# Altium PCB SmartHaloV1_ASCII.PcbDoc (part 4 of 4)
Units mil, origin at the board's own origin, x right, y up, seen from the top; angles counter-clockwise.
Board outline 3022.28 x 2564.81 mil, 4 copper layers (Top Layer, Ground Plane, Power Plane, Bottom Layer), stack 59.692 mil thick; 370 components, 182 nets, 935 pads, 581 vias.
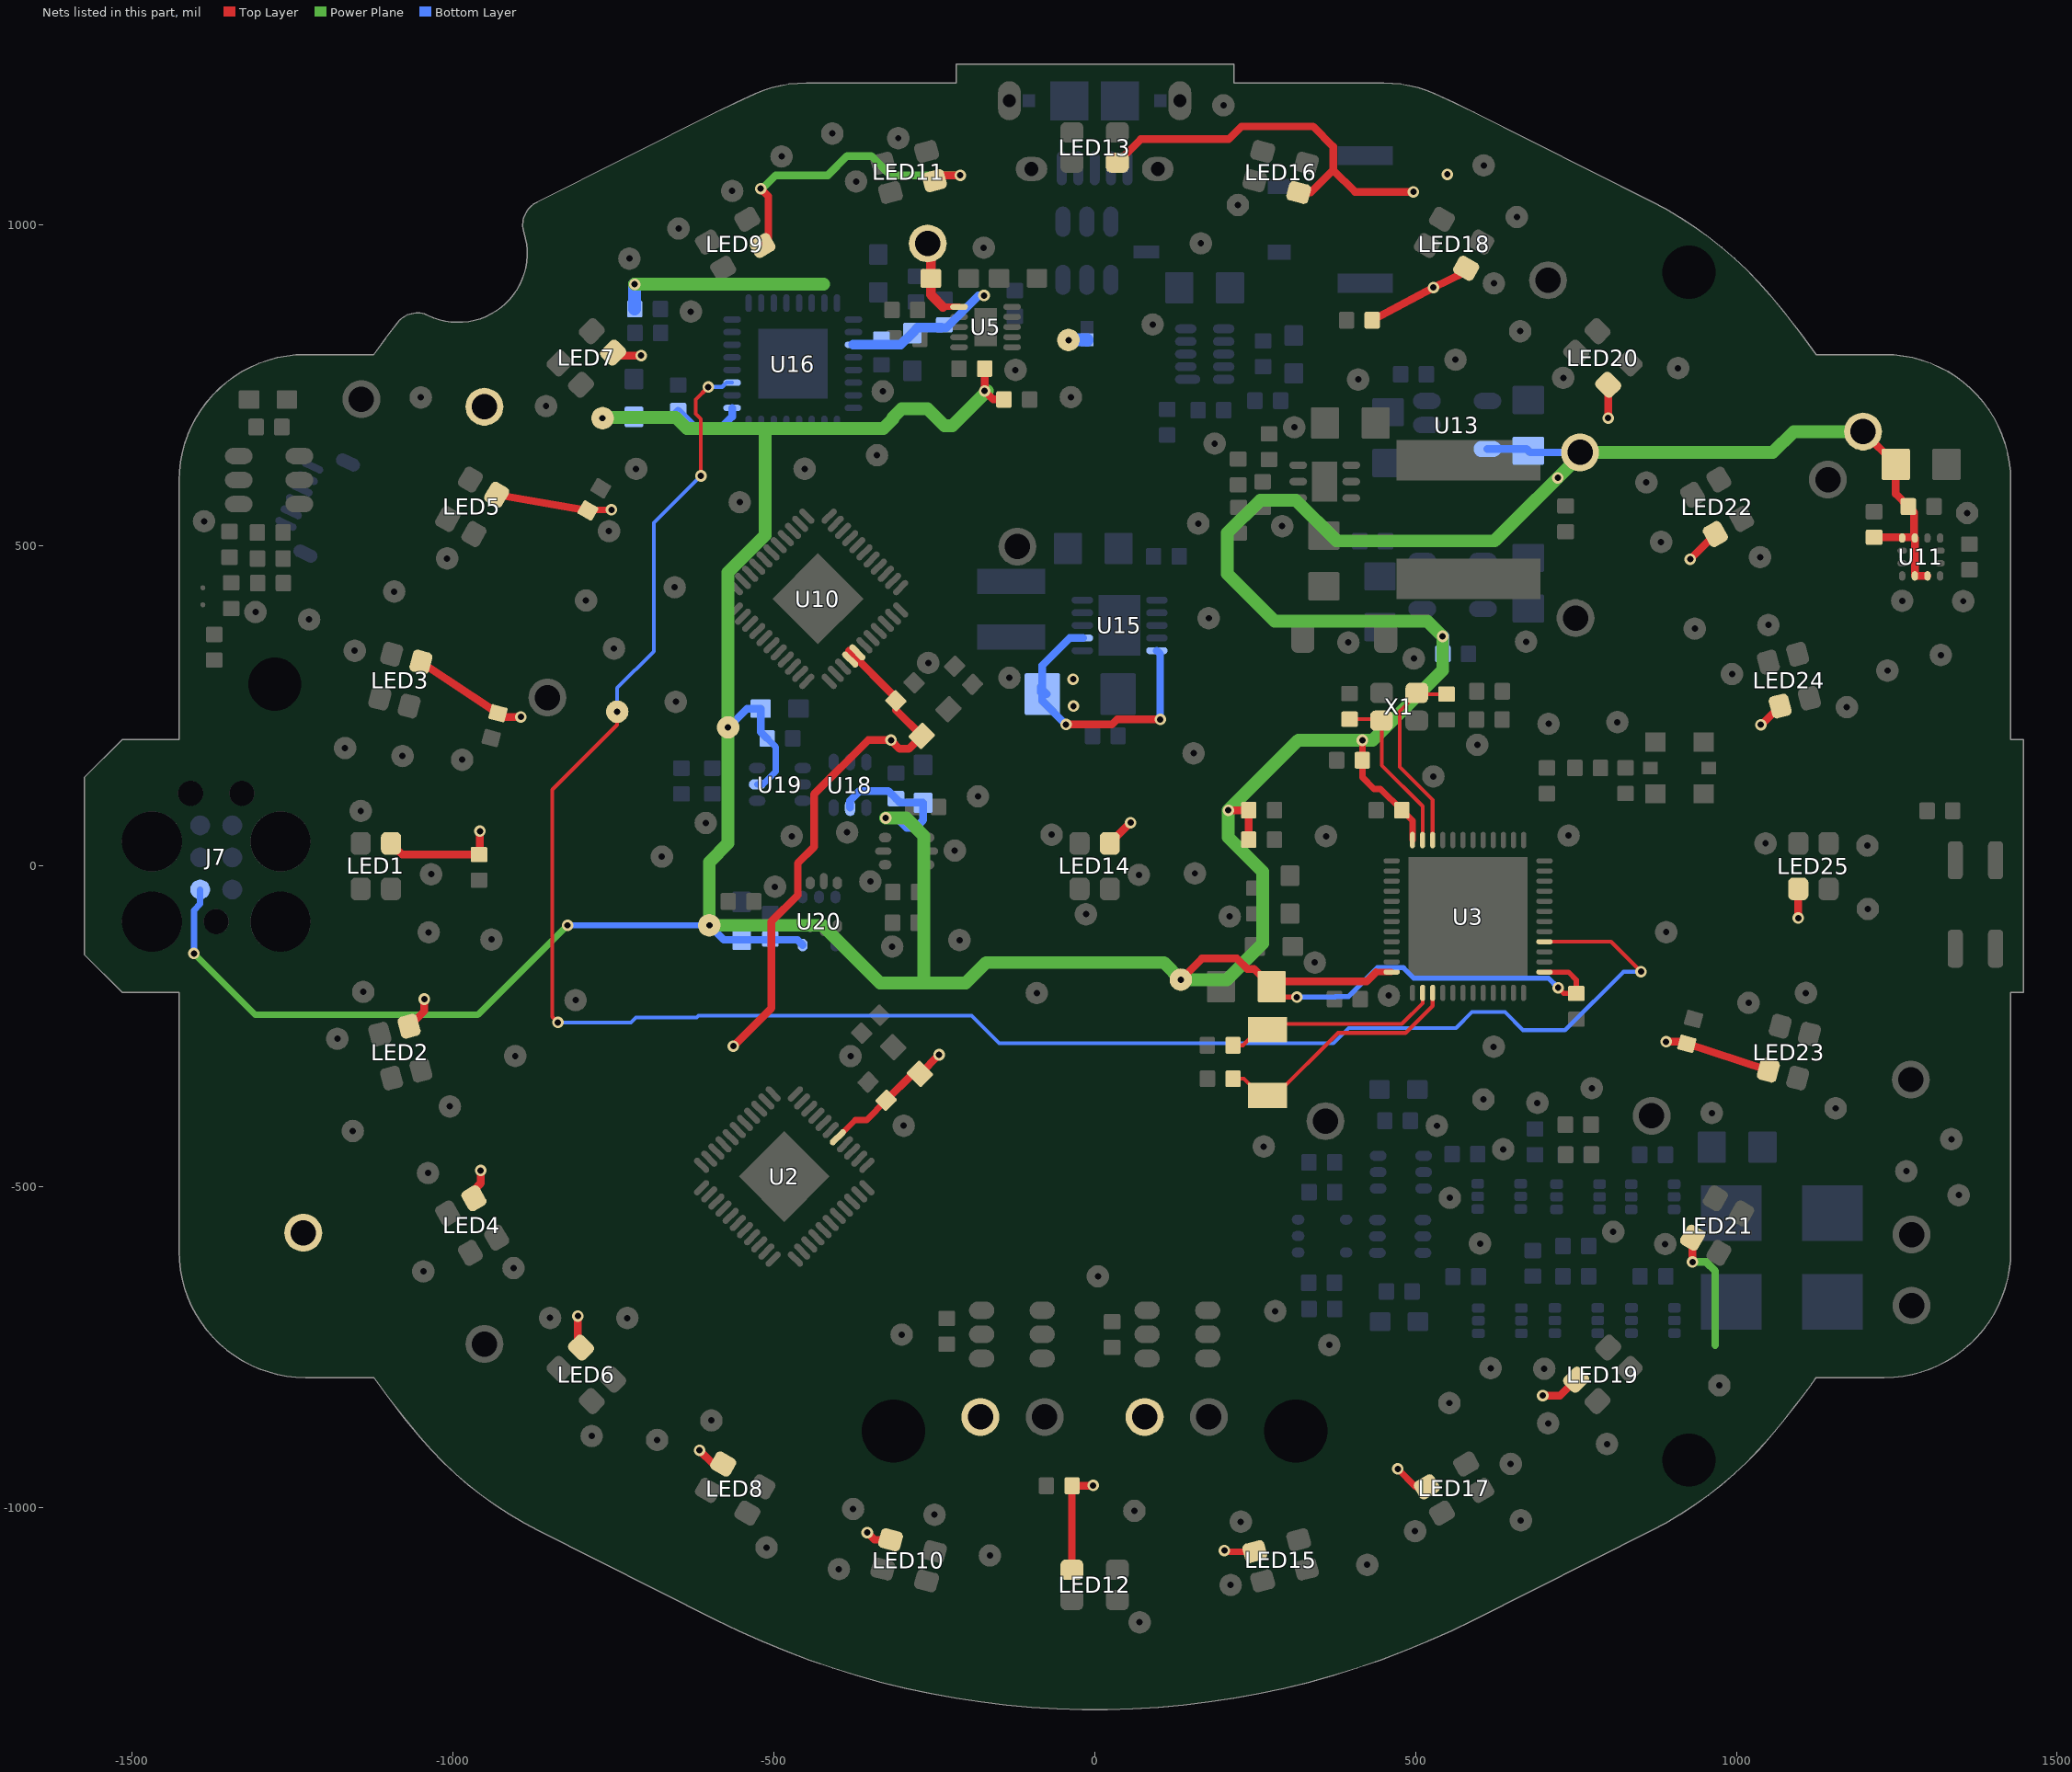
[diagram p5: the nets of this part, all layers, seen from the top]

## Via types
v1: diameter 18, hole 10, Top Layer to Bottom Layer, 557 vias
v2: diameter 27, hole 13, Top Layer to Bottom Layer, 24 vias

## Nets (pads, with @x,y where several pads share a name; then routed paths per layer and width w, separated by ;. In a path a pad name is that pad's centre, name@x,y a point inside that pad or via, vN(x,y) a via of type N, cw(c..) or ccw(c..) an arc to the next point about the centre after c; other vN are vias at no path point) (continued)
VDD_NRF: C21.1 C24.1 C25.1 C43.1 C44.1 C45.1 C49.1 C59.1 C60.1 C65.1 C66.1 C67.1 C68.1 C69.1 C70.1 J7.1 R6.2 R10.2 R13.1 R16.2 R20.2 R30.2 TP10.1 TP11.1 TP12.1 TP13.1 TP14.1 TP15.1 U3.13 U3.36 U3.48 U11.2 U11.3 U11.9 U11.10 U13.5 U16.1 U18.5 U19.5 U20.5 | length 8595.3
  Top Layer w8: C24.1@290.3,-202.2 288.5,-204 v1(315,-204) ; U3.13@700.99,-165.01 738.21,-165.01 750.6,-177.4 C25.1@750.6,-198.4 731.1,-198.4 v1(722.3,-189.6)
  Top Layer w10: v1(417.2,196.2) R6.2@417.2,165.1 417.2,138.5 435.2,120.5 445.5,120.5 C21.1@478.8,87.2 495.29,70.71 U3.36@495.29,40.69 ; 438.69,-165.01 U3.48@462.81,-165.01
  Top Layer w12: R10.2@-171.4,775.3 v1(-171.4,740.7) -158.1,727.4 R13.1@-141.4,727.4 ; TP12.1@134.3,-176.9 167.2,-144 221.7,-144 237.9,-160.2 248.3,-160.2 C24.1@275.9,-187.8 283.9,-179.8 423.9,-179.8 438.69,-165.01 ; v1(208.4,87.2) R16.2@240.2,87.2 R20.2@240.2,41.2 ; TP10.1@1197.42,677.3 C44.1@1248.48,626.23 1248.48,580.02 C45.1@1267.98,560.52 1277.07,551.44 1277.07,512.5 C43.1@1214.6,512.5 ; U11.9@1278.14,511.43 U11.2@1278.14,452.37 U11.3@1297.83,452.37
  Power Plane w10: v1(-1403.7,-136.1) -1308,-231.8 -961,-231.8 v1(-821.4,-92.2)
  Power Plane w20: TP15.1@-759.5,699.1 -652.8,699.1 -635.6,681.9 -329.34,681.9 -314,697.24 -314,699 -300.4,712.6 -260.2,712.6 -234.1,686.5 -221.5,686.5 v1@-167.3,740.7 ; TP14.1@-571.2,216 -571.2,35.8 -600.5,6.5 TP13.1@-600.5,-92.2 -423.9,-92.2 -334.1,-182 -200.8,-182 -169,-150.2 107.6,-150.2 TP12.1@134.3,-176.9 205.7,-176.9 262,-120.6 262,-8.4 208.4,45.2 v1(208.4,87.2) 317.4,196.2 v1(417.2,196.2) 433.2,196.2 542.4,305.4 v1(542.4,358.2) 518.5,382.1 280.3,382.1 206.9,455.5 206.9,519.2 258,570.3 313.5,570.3 376.9,506.9 623.4,506.9 756.5,640 TP11.1@756.5,644.9 1056.8,644.9 1089.2,677.3 TP10.1@1197.42,677.3 ; TP14.1@-571.2,216.3 -571.2,457.8 -513.3,515.7 -513.3,681.9 ; v1(-325.4,75.1) -293.6,75.1 -266,47.5 -266,-182.3
  Bottom Layer w8: v1(315,-204) 374.89,-204 375.39,-203.5 395.42,-203.5 440.52,-158.4 481.2,-158.4 497.1,-174.3 707,-174.3 v1(722.3,-189.6)
  Bottom Layer w10: v1(-1403.7,-136.1) -1403.7,-68.8 -1393.9,-59 J7.1@-1393.9,-36.4 ; v1(-821.4,-92.2) TP13.1@-600.5,-92.2 ; U19.5@-525.9,127.4 -517.3,127.4 -497.1,147.6 -497.1,185.8 C67.1@-510.4,199.1
  Bottom Layer w12: TP15.1@-759.5,699.1 -719,699.1 C60.1@-717.9,700.2 -658.8,700.2 C59.1@-649.1,709.9 -625.4,686.2 -579.3,686.2 -564.89,700.61 U16.1@-564.89,714.2 ; TP13.1@-600.5,-92.2 -577.9,-114.8 C70.1@-550.17,-114.8 -463.16,-114.8 U20.5@-455.06,-122.9 ; TP14.1@-571.05,216.15 -541.7,245.5 C68.1@-520.5,245.5 -520.5,209.2 C67.1@-510.4,199.1 ; U18.5@-381.13,91.2 -381.13,102.27 -366.3,117.1 -321.53,117.1 C65.1@-309.53,105.1 -309.04,105.1 -303.11,99.17 C66.1@-267.7,99.17 ; v1(-325.4,75.1) -308.6,75.1 -293.3,59.8 -279.3,59.8 -267.33,71.77 C66.1@-267.33,98.8 ; U13.5@612.14,650.22 673.08,650.22 C49.1@675.8,647.5 678.4,644.9 TP11.1@756.5,644.9
  Bottom Layer w20: R30.2@542.7,330.7 v1@542.7,357.9
  other v1: 721.8,605.3
VLED: C8.1 C9.1 C10.1 C12.1 C15.1 C22.1 C36.1 C37.1 C41.1 C42.1 C53.1 D1.1 D2.1 LED1.1 LED2.1 LED3.1 LED4.1 LED5.1 LED6.1 LED7.1 LED8.1 LED9.1 LED10.1 LED11.1 LED12.1 LED13.1 LED14.1 LED15.1 LED16.1 LED17.1 LED18.1 LED19.1 LED20.1 LED21.1 LED22.1 LED23.1 LED24.1 LED25.1 TP7.1 TP8.1 U2.38 U10.37 U10.38 U15.2 U15.10 | length 4538.4
  Top Layer w8: C37.1@-309.74,243.44 C37.1@-309.74,257.57 C37.1@-309.74,262.54
  Top Layer w9: U2.38@-400.01,-422.63 -372.77,-395.4
  Top Layer w10: C10.1@-789.6,554.28 -788.48,555.4 v1(-753.1,555.4) ; -372.77,-395.4 -355.38,-395.4 C12.1@-324.81,-364.83 ; v1@203.98,-1068.28 LED15.1@249.54,-1068.28 ; v1(472.4,-939.5) 500.2,-967.3 LED17.1@517.54,-967.3
  Top Layer w12: LED1.1@-1096.46,35.43 -1079.1,18.07 C8.1@-959.29,18.07 -957.9,19.46 v1(-957.9,54.4) ; LED2.1@-1068.28,-249.58 -1044.6,-225.9 v1(-1044.6,-207.2) ; LED3.1@-1049.94,317.99 C9.1@-929.93,238.19 -924.34,232.6 v1(-894.1,232.6) ; LED4.1@-967.3,-517.54 -967.3,-504.8 -956.7,-494.2 v1(-956.7,-474.4) ; LED5.1@-931.87,578.91 C10.1@-789.6,554.28 ; v1(-805.3,-701) -805.3,-749.8 -804.85,-750.25 LED6.1@-800.4,-750.25 ; LED7.1@-750.29,800.36 -745.83,795.9 v1(-706.6,795.9) ; v1(-615.8,-910.5) -594.43,-931.87 LED8.1@-578.91,-931.87 ; v1(-563,-280.6) -503.8,-221.4 -503.8,-86.3 -462.66,-45.16 -462.66,4.64 -437.1,30.2 -437.1,112.2 -352.95,196.35 v1(-317.43,196.35) -304,182.91 -289.55,182.91 C36.1@-269.38,203.08 C37.1@-309.74,243.44 ; v1(-520.4,1056) -508.47,1044.07 -508.47,973.04 LED9.1@-517.94,963.57 ; -383,335.8 C37.1@-309.74,262.54 ; v1(-354.4,-1038.7) -343.16,-1049.94 LED10.1@-318.03,-1049.94 ; C12.1@-328.21,-361.43 C12.1@-327.51,-360.73 ; C12.1@-324.81,-364.83 -283.79,-323.8 C15.1@-272.22,-323.8 v1(-242.3,-293.88) ; LED11.1@-249.58,1068.24 -241.03,1076.8 v1(-209.4,1076.8) ; v1(-44.7,220.7) 26.9,220.7 34.87,228.67 v1(102.15,228.67) ; LED12.1@-35.43,-1096.46 C22.1@-35.43,-973.86 ; C22.1@-35.1,-965.7 v1@-2.7,-965.7 ; LED14.1@23.62,35.43 v1(55.89,67.7) ; LED13.1@35.43,1096.46 71.88,1132.9 208.8,1132.9 228.7,1152.8 340.5,1152.8 371.7,1121.6 371.7,1085.1 ; LED16.1@317.99,1049.9 336.5,1049.9 371.7,1085.1 ; C42.1@432.5,850.9 v1(528,902) 576.68,925.45 LED18.1@578.91,931.83 ; v1(496.8,1051) 405.8,1051 371.7,1085.1 ; v1(698.3,-825.2) 725.41,-825.2 LED19.1@750.25,-800.36 ; v1(800.36,698.36) LED20.1@800.36,750.25 ; v1(890.4,-273.5) 917.57,-273.5 919.15,-275.08 LED23.1@1049.9,-318.03 ; v1(928,478.28) LED22.1@967.26,517.54 ; LED21.1@929.44,-581.3 931.6,-583.46 v1(931.6,-616.9) ; v1(1038.1,220.4) 1039.1,220.4 LED24.1@1068.24,249.54 ; v1(1096.46,-80.74) LED25.1@1096.46,-35.43
  Power Plane w12: v1@-519,1054.6 -496.98,1076.62 -475.58,1076.62 -475.4,1076.8 -415.6,1076.8 -385.6,1106.8 -348.2,1106.8 -318.2,1076.8 v1(-209.4,1076.8) ; v1(931.6,-616.9) 953,-616.9 967,-630.9 967,-746.5
  Bottom Layer w12: C53.1@-84.1,270.8 C53.1@-84.1,279.6 ; C53.1@-81.5,268.1 -81.5,257.5 v1(-44.7,220.7) ; C53.1@-74.5,268.1 -81.5,275.1 -81.5,313.1 -39.08,355.52 U15.2@-18.17,355.52 ; U15.10@96.97,335.83 102.15,330.65 v1(102.15,228.67)
  other v1: 202.3,-1066.6 -2.2,-965.2 -33,249.5 -33.5,291.3 549.6,1078.3
VUSB: C23.1 C56.1 C58.1 NT1.2 R32.2 R36.2 TP19.1 TP20.1 U5.1 U16.19 | length 730.7
  Top Layer w10: -236.32,871.7 U5.1@-211.34,871.7
  Top Layer w15: TP19.1@-260.2,970.4 -255.2,965.4 C23.1@-255.2,915.9 -255.2,890.58 -236.32,871.7
  Power Plane w20: v1(-716.7,906.8) -422.6,906.8
  Bottom Layer w13: R32.2@-239.3,839.4 -230.9,839.4 -180.87,889.43 v1(-172.4,889.43)
  Bottom Layer w15: U16.19@-375.91,812.63 -302.37,812.63 C56.1@-284,831 -275.6,839.4 R32.2@-239.3,839.4
  Bottom Layer w20: R36.2@-716.7,868.3 v1(-716.7,906.8) ; TP20.1@-42.3,820.3 NT1.2@-13.4,820.3 ; NT1.2@-12.1,820.1 NT1.2@-11.9,819.9
W\A\K\E\U\P\: TP143.1 U3.16 U16.3 | length 3091.1
  Top Layer w6: v1(-836.3,-243.7) -845.2,-234.8 -845.2,119.2 -744.1,220.3 TP143.1@-744.1,240.7 ; v1(-613.7,608.3) -613.7,696.84 -621.8,704.94 -621.8,727.1 v1(-602,746.9) ; U3.16@700.99,-117.77 804.77,-117.77 v1(851.5,-164.5)
  Bottom Layer w6: v1(-836.3,-243.7) -722.8,-243.7 -715,-235.9 -620.16,-235.9 -617.46,-233.2 -191.69,-233.2 -148.69,-276.2 371.99,-276.2 395.69,-252.5 558.24,-252.5 558.44,-252.3 563.2,-252.3 588.1,-227.4 639.32,-227.4 667.52,-255.6 733.07,-255.6 824.17,-164.5 v1(851.5,-164.5) ; TP143.1@-744.1,240.7 -744.1,277.7 -687,334.8 -687,535 v1(-613.7,608.3) ; v1(-602,746.9) -580.42,746.9 -573.75,753.57 U16.3@-564.89,753.57
XC_N: C14.1 U3.34 X1.3 | length 306.3
  Top Layer w6: U3.34@526.78,40.69 526.78,103.02 475.34,154.46 475.34,241.61 501.83,268.1 C14.1@548.4,268.1
XC_P: C19.1 U3.35 X1.1 | length 266.7
  Top Layer w6: C19.1@397.1,229.1 X1.1@444.59,229.1 ; X1.1@446.94,226.75 X1.1@444.59,229.1 ; U3.35@511.03,40.69 511.03,93.47 447.4,157.1 447.4,226.29 X1.1@444.59,229.1
XL_N: C31.2 U3.3 X2.2 | length 399.5
  Top Layer w6: C31.2@215.8,-331.3 232.6,-331.3 258.43,-357.13 X2.2@269.23,-357.13 282.17,-357.13 379.5,-259.8 484.5,-259.8 526.78,-217.52 U3.3@526.78,-197.49
XL_P: C32.2 U3.2 X2.1 | length 338.6
  Top Layer w6: C32.2@215.6,-279.2 231.2,-279.2 255.63,-254.77 X2.1@269.24,-254.77 278.21,-245.8 478.7,-245.8 511.03,-213.47 U3.2@511.03,-197.49
pads on no net: ANT1.2 D4.2 J5.4 J7.0 J7.6 U3.20 U3.44 U5.6 U8.4 U12.4 U13.4 U14.4 U16.10 U16.11 U16.21 U16.22 U16.23 U16.25 U16.26 U16.27 U16.28 U16.29 U16.31 U18.3 U18.4

## Polygon pours and split planes (outlines as drawn)
NetD1_2 on Top Layer "NetD1_2 Top" (solid, remove dead copper, pour order 7): -195.7,-715.6 -195.7,-743.5 -195.6,-743.6 -61.5,-743.6 -61.5,-678.2 -61.6,-678.1 -61.8,-677.9 -138.5,-677.9 -138.5,-715.2 -139.2,-715.9 -139.5,-715.6 -195.7,-715.6
NetD2_2 on Top Layer "NetD2_2 Top" (solid, remove dead copper, pour order 9): 61.8,-715.7 61.8,-743.6 61.9,-743.7 196,-743.7 196,-678.3 195.9,-678.2 195.7,-678 119,-678 119,-715.3 118.3,-716 118,-715.7 61.8,-715.7
GND on Top Layer "Top Ground" (solid, remove dead copper, pour order 64): -1515.57,-196.65 -1426.63,-196.65 -1426.63,-600.19 ccw(c-1229.78,-600.19) -1229.78,-797.04 -1123.37,-797.04 ccw(c0.54,0.2) -1051.32,-889.95 ccw(c-600.52,-508.45) -865.74,-1036.1 -590.02,-1174.69 -590.05,-1174.69 ccw(c0.5,0.2) 591.05,-1174.69 591.09,-1174.69 866.81,-1036.1 866.77,-1036.1 ccw(c601.56,-508.45) 1052.35,-889.95 1052.39,-889.95 ccw(c0.54,0.2) 1110.21,-816.73 ccw(c0.53,0.2) 1124.44,-797.04 1230.52,-797.04 1230.52,-797.08 ccw(c1230.52,-599.9) 1427.7,-599.9 1427.7,-196.65 1447.7,-196.65 1447.7,197.05 1427.7,197.05 1427.7,600.59 1427.66,600.59 ccw(c1230.81,600.59) 1230.81,797.44 1124.44,797.44 ccw(c0.53,0.2) 1052.39,890.34 1052.35,890.34 ccw(c601.56,508.85) 866.77,1036.5 866.81,1036.5 591.09,1175.09 ccw(c0.54,0.2) 529.59,1204.04 ccw(c450.39,1023.82) 450.39,1220.67 217.07,1220.67 217.07,1250.2 -216,1250.2 -216,1220.67 -449.32,1220.67 -449.36,1220.67 ccw(c-449.36,1023.82) -528.56,1204.04 -528.52,1204.04 ccw(c0.54,0.2) -590.02,1175.09 -869.49,1034.61 ccw(c-851.81,999.44) -889.33,987.49 -889.36,987.49 cw(c-991.63,954.92) -1038.33,858.3 ccw(c-1055.46,822.85) -1086.52,847.04 -1086.48,847.04 ccw(c0.54,0.2) -1123.37,797.44 -1229.78,797.44 ccw(c-1229.78,600.59) -1426.63,600.59 -1426.63,197.05 -1515.53,197.05 -1574.58,138 -1574.58,-137.6
VBAT on Top Layer "VBAT_L01_P044" (solid, remove dead copper, pour order 44): 395.6,599.2 699.5,599.2 699.5,739.4 395.6,739.4 395.6,599.2
VBZ on Top Layer "VBZ TOP" (solid, remove dead copper, pour order 52): 434.5,489 434.5,409.2 434.5,318.8 300.3,318.8 279,318.8 279,347.6 279,489 356.4,489
USBGND on Top Layer "USBGND Top" (solid, pour order 38): -216,1250.2 217.1,1250.2 217.07,1085.8 -216,1085.8
USBGND on Bottom Layer "USBGND Bot" (solid, pour order 36): -216,1250.2 217.1,1250.2 217.1,1085.7 176.11,1085.7 -167.3,1085.7 -216,1085.7
NetD2_2 on Bottom Layer "NetD2_2 Bot" (solid, remove dead copper, pour order 17): 61.8,-715.7 61.8,-743.6 61.9,-743.7 196,-743.7 196,-678.3 195.9,-678.2 195.7,-678 119,-678 119,-715.3 118.3,-716 118,-715.7 61.8,-715.7
NetD1_2 on Bottom Layer "NetD1_2 Bot" (solid, remove dead copper, pour order 15): -195.7,-715.6 -195.7,-743.5 -195.6,-743.6 -61.5,-743.6 -61.5,-678.2 -61.6,-678.1 -61.8,-677.9 -138.5,-677.9 -138.5,-715.2 -139.2,-715.9 -139.5,-715.6 -195.7,-715.6
GND on Bottom Layer "Bot Ground" (solid, remove dead copper, pour order 70): -1515.57,-196.65 -1426.63,-196.65 -1426.63,-600.19 ccw(c-1229.78,-600.19) -1229.78,-797.04 -1123.37,-797.04 ccw(c0.54,0.2) -1051.32,-889.95 ccw(c-600.52,-508.45) -865.74,-1036.1 -590.02,-1174.69 -590.05,-1174.69 ccw(c0.5,0.2) 591.05,-1174.69 591.09,-1174.69 866.81,-1036.1 866.77,-1036.1 ccw(c601.56,-508.45) 1052.35,-889.95 1052.39,-889.95 ccw(c0.54,0.2) 1110.21,-816.73 ccw(c0.53,0.2) 1124.44,-797.04 1230.52,-797.04 1230.52,-797.08 ccw(c1230.52,-599.9) 1427.7,-599.9 1427.7,-196.65 1447.7,-196.65 1447.7,197.05 1427.7,197.05 1427.7,600.59 1427.66,600.59 ccw(c1230.81,600.59) 1230.81,797.44 1124.44,797.44 ccw(c0.53,0.2) 1052.39,890.34 1052.35,890.34 ccw(c601.56,508.85) 866.77,1036.5 866.81,1036.5 591.09,1175.09 ccw(c0.54,0.2) 529.59,1204.04 ccw(c450.39,1023.82) 450.39,1220.67 217.07,1220.67 217.07,1250.2 -216,1250.2 -216,1220.67 -449.32,1220.67 -449.36,1220.67 ccw(c-449.36,1023.82) -528.56,1204.04 -528.52,1204.04 ccw(c0.54,0.2) -590.02,1175.09 -869.49,1034.61 ccw(c-851.81,999.44) -889.33,987.49 -889.36,987.49 cw(c-991.63,954.92) -1038.33,858.3 ccw(c-1055.46,822.85) -1086.52,847.04 -1086.48,847.04 ccw(c0.54,0.2) -1123.37,797.44 -1229.78,797.44 ccw(c-1229.78,600.59) -1426.63,600.59 -1426.63,197.05 -1515.53,197.05 -1574.58,138 -1574.58,-137.6
VBAT on Bottom Layer "VBAT VLED BOT PLANE" (solid, remove dead copper, pour order 42): -183.4,424 -183.4,526.2 -2.9,526.2 -2.7,526 -2.7,408 -183.2,408 -183.4,408.2 -183.4,423.8
BZ_OUT_P on Bottom Layer "BZ_OUT_P BOT" (solid, remove dead copper, pour order 46): 710,-507.8 710,-542.5 945.1,-542.5 945.1,-584.3 1197.1,-584.3 1197.1,-497.6 945.2,-497.6 945.2,-507.8
BZ_OUT_N on Bottom Layer "BZ_OUT_N BOT" (solid, remove dead copper, pour order 48): 707.3,-700.8 707.3,-735.3 1197.1,-735.3 1197.1,-635.9 945.1,-635.9 945.1,-700.8
NetC62_1 on Bottom Layer "NetC62_1  Bot" (solid, remove dead copper, pour order 32): 587.2,-507.2 587.2,-541.7 673.8,-541.7 673.8,-507.2 587.3,-507.2 587.2,-507.3
NetC63_1 on Bottom Layer "NetC63_1  Bot" (solid, remove dead copper, pour order 34): 588.2,-701 588.2,-735.5 674.8,-735.5 674.8,-701 588.3,-701 588.2,-701.1
VLED on Bottom Layer "VLED BOT" (solid, remove dead copper, pour order 50): -21.2,317.9 -15.3,317.9 -15.3,187.5 -126.4,187.5 -126.4,317.9 -26,317.9 -24.42,317.9 -22.7,317.9
VDD_NRF on Bottom Layer "VDD_NRF BOT" (solid, remove dead copper, pour order 54): 644.9,700.06 644.9,589.9 780.82,589.9 780.82,603.38 780.82,700.06 652.74,700.06
S2V8 on Bottom Layer "S2V8 BOT" (solid, remove dead copper, pour order 56): 561.9,448.4 781.36,448.4 781.36,349.7 561.9,349.7
USBGND on Ground Plane "USBGND GND Plane" (solid, pour order 40): -216,1250.2 217.1,1250.2 217.07,1086.61 -216,1086.61
GND on Ground Plane "Ground Plane" (solid, remove dead copper, pour order 68): -1515.57,-196.65 -1426.63,-196.65 -1426.63,-600.19 ccw(c-1229.78,-600.19) -1229.78,-797.04 -1123.37,-797.04 ccw(c0.54,0.2) -1051.32,-889.95 ccw(c-600.52,-508.45) -865.74,-1036.1 -590.02,-1174.69 -590.05,-1174.69 ccw(c0.5,0.2) 591.05,-1174.69 591.09,-1174.69 866.81,-1036.1 866.77,-1036.1 ccw(c601.56,-508.45) 1052.35,-889.95 1052.39,-889.95 ccw(c0.54,0.2) 1110.21,-816.73 ccw(c0.53,0.2) 1124.44,-797.04 1230.52,-797.04 1230.52,-797.08 ccw(c1230.52,-599.9) 1427.7,-599.9 1427.7,-196.65 1447.7,-196.65 1447.7,197.05 1427.7,197.05 1427.7,600.59 1427.66,600.59 ccw(c1230.81,600.59) 1230.81,797.44 1124.44,797.44 ccw(c0.53,0.2) 1052.39,890.34 1052.35,890.34 ccw(c601.56,508.85) 866.77,1036.5 866.81,1036.5 591.09,1175.09 ccw(c0.54,0.2) 529.59,1204.04 ccw(c450.39,1023.82) 450.39,1220.67 217.07,1220.67 217.07,1250.2 -216,1250.2 -216,1220.67 -449.32,1220.67 -449.36,1220.67 ccw(c-449.36,1023.82) -528.56,1204.04 -528.52,1204.04 ccw(c0.54,0.2) -590.02,1175.09 -869.49,1034.61 ccw(c-851.81,999.44) -889.33,987.49 -889.36,987.49 cw(c-991.63,954.92) -1038.33,858.3 ccw(c-1055.46,822.85) -1086.52,847.04 -1086.48,847.04 ccw(c0.54,0.2) -1123.37,797.44 -1229.78,797.44 ccw(c-1229.78,600.59) -1426.63,600.59 -1426.63,197.05 -1515.53,197.05 -1574.58,138 -1574.58,-137.6
VLED on Power Plane "VLED Plane" (solid, remove dead copper, pour order 66): -1515.57,-196.65 -1426.63,-196.65 -1426.63,-600.19 ccw(c-1229.78,-600.19) -1229.78,-797.04 -1123.37,-797.04 ccw(c0.54,0.2) -1051.32,-889.95 ccw(c-600.52,-508.45) -865.74,-1036.1 -590.02,-1174.69 -590.05,-1174.69 ccw(c0.5,0.2) 591.05,-1174.69 591.09,-1174.69 866.81,-1036.1 866.77,-1036.1 ccw(c601.56,-508.45) 1052.35,-889.95 1052.39,-889.95 ccw(c0.54,0.2) 1110.21,-816.73 ccw(c0.53,0.2) 1124.44,-797.04 1230.52,-797.04 1230.52,-797.08 ccw(c1230.52,-599.9) 1427.7,-599.9 1427.7,-196.65 1447.7,-196.65 1447.7,197.05 1427.7,197.05 1427.7,600.59 1427.66,600.59 ccw(c1230.81,600.59) 1230.81,797.44 1124.44,797.44 ccw(c0.53,0.2) 1052.39,890.34 1052.35,890.34 ccw(c601.56,508.85) 866.77,1036.5 866.81,1036.5 591.09,1175.09 ccw(c0.54,0.2) 529.59,1204.04 ccw(c450.39,1023.82) 450.39,1220.67 217.07,1220.67 217.07,1250.2 -216,1250.2 -216,1220.67 -449.32,1220.67 -449.36,1220.67 ccw(c-449.36,1023.82) -528.56,1204.04 -528.52,1204.04 ccw(c0.54,0.2) -590.02,1175.09 -869.49,1034.61 ccw(c-851.81,999.44) -889.33,987.49 -889.36,987.49 cw(c-991.63,954.92) -1038.33,858.3 ccw(c-1055.46,822.85) -1086.52,847.04 -1086.48,847.04 ccw(c0.54,0.2) -1123.37,797.44 -1229.78,797.44 ccw(c-1229.78,600.59) -1426.63,600.59 -1426.63,197.05 -1515.53,197.05 -1574.58,138 -1574.58,-137.6
VUSB on Power Plane "VUSB PLANE" (solid, remove dead copper, pour order 60): -470.4,987.4 -470.4,783.1 15.9,783.1 16.5,783.1 16.5,987.4
VBAT on Power Plane "VBAT PLANE" (solid, remove dead copper, pour order 58): -470.4,1219.3 -470.4,1217.9 -470.4,987.4 -129,987.4 -129,929.1 -70.7,929.1 -70.7,987.4 16.4,987.4 16.5,783.1 -184.1,783.1 -183.2,782 -183.2,323.39 464.29,323.39 463.93,412.09 463.5,516.3 460.6,1220.67 217.07,1220.67 217.07,1250.2 -216,1250.2 -216,1220.7 -470.4,1220.7 -470.4,1217.9 -470.4,1220.7
VBZ on Power Plane "VBZ PLANE" (solid, remove dead copper, pour order 62): 724.2,-329.5 724.2,-732.5 1061.2,-732.5 1061.2,-329.5

## Keep-outs
Mechanical 3:
  circle w10: c0.5,0.2 r216.54
  lines w10: -1375.77,-67.85 cw(c0.5,0.2) -1328.46,364.37 -1184.98,364.37 cw(c0.5,0.2) -949.45,797.44 -1123.4,797.44 ; -1373.4,-105.41 ccw(c0.5,0.2) -1051.36,-889.94 ; -590.12,-1174.79 ccw(c0.44,0.1) 590.99,-1174.79 ; 1052.29,-890.04 ccw(c0.44,0.1) 1346.38,-295.18 ; 1052.35,-889.94 ccw(c0.5,0.2) 1346.44,-295.08 1204.99,-295.08 ccw(c0.5,0.2) 1115.19,543.75 1234.79,612.8 ccw(c0.5,0.2) 1052.35,890.34 ; -943.23,342.53 -934.31,338.37 ccw(c0.5,0.2) -859.44,498.93 -868.36,503.09 -943.23,342.53
Mechanical 4:
  lines w10: -402.87,-1251.35 -402.87,-816.73 393.9,-816.73 393.9,-1254.54 ; -145.13,1082.88 146.2,1082.88 146.2,1250.2 -145.13,1250.2 -145.13,1082.88

## Silkscreen, mask and mechanical layers (free items; w line width, h text height)
Top Overlay:
  drawing of 4068 lines, arcs and shapes, not listed
  text "1.0 Rev1" at -763,61.5 h80 r90
  text "2016/11/28 CycleLabs Solutions inc." at -712.3,-608.7 h25 r90
Outline:
  lines w10: -1515.57,-196.65 -1426.67,-196.65 ; -1515.53,-196.65 -1574.58,-137.6 -1574.58,138 -1515.53,197.05 -1426.63,197.05 -1426.63,600.59 cw(c-1229.78,600.59) -1229.78,797.44 -1123.37,797.44 cw(c0.54,0.2) -1086.48,847.04 ; -1426.63,-196.65 -1426.63,-600.19 ccw(c-1229.78,-600.19) -1229.78,-797.04 -1123.37,-797.04 ccw(c0.54,0.2) -1051.32,-889.94 ccw(c-600.52,-508.45) -865.74,-1036.1 -590.02,-1174.69 ccw(c0.5,0.2) 591.05,-1174.69 866.81,-1036.1 ; -1086.52,847.04 cw(c-1055.46,822.85) -1038.33,858.3 ccw(c-991.63,954.92) -889.36,987.49 ; -889.33,987.49 cw(c-851.81,999.44) -869.49,1034.61 -590.02,1175.09 cw(c0.54,0.2) -528.52,1204.04 cw(c-449.36,1023.82) -449.36,1220.67 -216,1220.67 -216,1250.2 ; -216.04,1250.2 217.03,1250.2 ; 217.07,1250.2 217.07,1220.67 450.39,1220.67 cw(c450.39,1023.82) 529.59,1204.04 cw(c0.54,0.2) 591.09,1175.09 866.81,1036.5 ; 866.77,-1036.1 ccw(c601.56,-508.45) 1052.35,-889.95 ccw(c0.54,0.2) 1110.21,-816.73 ccw(c0.54,0.2) 1124.44,-797.04 1230.52,-797.04 ; 866.77,1036.5 cw(c601.56,508.85) 1052.35,890.35 cw(c0.54,0.2) 1124.44,797.44 1230.81,797.44 cw(c1230.81,600.59) 1427.66,600.59 ; 1230.52,-797.08 ccw(c1230.52,-599.9) 1427.7,-599.9 1427.7,-196.65 ; 1427.66,-196.65 1447.66,-196.65 ; 1427.66,197.05 1447.66,197.05 ; 1427.7,197.05 1427.7,600.59 ; 1447.7,-196.65 1447.7,197.05 ; -943.23,342.53 -868.36,503.09 -859.44,498.93 -814.84,478.14 -889.71,317.57 -934.31,338.37 -943.23,342.53
Mechanical 2:
  lines w10: -2805.98,-2755.98 -958.83,-2755.98
Mechanical 3:
  circle w10: c970.51,560.24 r62.01
  circle w10: c1082.41,290.1 r62.01
  circle w10: c1120.58,0.2 r62.01
  circle w10: c560.54,970.22 r62.01
  circle w10: c290.4,1082.11 r62.01
  circle w10: c0.5,1120.28 r62.01
  circle w10: c-289.4,1082.11 r62.01
  circle w10: c-559.54,970.22 r62.01
  circle w10: c-791.52,792.22 r62.01
  circle w10: c-969.52,560.24 r62.01
  circle w10: c792.51,792.22 r62.01
  circle w10: c560.54,-969.82 r62.01
  circle w10: c792.51,-791.82 r62.01
  circle w10: c970.51,-559.84 r62.01
  circle w10: c1082.41,-289.7 r62.01
  circle w10: c-791.52,-791.82 r62.01
  circle w10: c-559.54,-969.82 r62.01
  circle w10: c-289.4,-1081.71 r62.01
  circle w10: c290.4,-1081.71 r62.01
  circle w10: c-1081.42,-289.7 r62.01
  circle w10: c-969.52,-559.84 r62.01
  circle w10: c-1119.58,0.2 r62.01
  circle w10: c-1081.42,290.1 r62.01
  circle w10: c0.5,-1119.88 r62.01
  circle w10: c926.14,-925.44 r41.34
  circle w10: c926.14,925.84 r41.34
  circle w10: c-1277.53,283.53 r41.34
  circle w10: c-1268.81,-86.27 r46.75
  circle w10: c-1268.81,38.73 r46.75
  circle w10: c-1328.81,113.73 r19.68
  circle w10: c-1468.81,38.73 r46.75
  circle w10: c-1468.81,-86.27 r46.75
  circle w10: c-1408.81,113.73 r19.68
  circle w10: c-177.46,-858.19 r19.68
  circle w10: c78.45,-858.19 r19.68
  circle w10: c178.45,-858.19 r19.68
  circle w10: c-77.46,-858.19 r19.68
  circle w10: c-313.16,-880.03 r49.21
  circle w10: c314.15,-880.03 r49.21
  circle w10: c0.5,0.2 r62.01
  lines w10: -943.19,342.53 -889.67,317.57 -814.8,478.14 -868.32,503.09 ; -1375.77,-67.85 cw(c-1368.81,-86.27) -1373.4,-105.41 cw(c-1368.81,-86.27) -1375.77,-67.85
  text "BACK" at -136.81,1308.07 h78.74
  text "RIGHT (LOCK)" at -2317.79,-59.25 h78.74
  text "LEFT" at 1508.1,-78.8 h78.74
  text "FRONT" at -167.8,-1432.3 h78.74
Mechanical 4:
  circle w10: c-1393.78,63.73 r15.49
  circle w10: c-1393.78,-36.27 r15.49
  circle w10: c-1393.78,13.73 r15.49
  circle w10: c-1343.78,-36.27 r15.49
  circle w10: c-1343.78,13.73 r15.49
  circle w10: c-1343.78,63.73 r15.49
  circle w10: c-1277.49,283.53 r41.34
  circle w10: c-1468.78,38.73 r46.75
  circle w10: c-1468.78,-86.27 r46.75
  circle w10: c-1268.78,-86.27 r46.75
  circle w10: c-1268.78,38.73 r46.75
  circle w10: c-1368.78,-86.27 r19.68
  circle w10: c-1408.78,113.73 r19.68
  circle w10: c-1328.78,113.73 r19.68
  circle w10: c926.18,-925.44 r41.34
  circle w10: c-313.12,-880.03 r49.21
  circle w10: c314.19,-880.03 r49.21
  circle w10: c-177.42,-858.19 r19.68
  circle w10: c-77.42,-858.19 r19.68
  circle w10: c78.49,-858.19 r19.68
  circle w10: c178.49,-858.19 r19.68
  lines w10: -1251.85,486.46 -1243.2,505.01 -1207.52,488.37 -1216.17,469.82 ; -1176.98,647.02 -1185.63,628.47 -1149.95,611.83 -1141.3,630.39 ; -402.87,-816.73 -1062.46,-816.73 -1062.46,861.59 cw(c-1055.43,822.85) -1038.29,858.3 ccw(c-991.59,954.92) -886.09,935.24 885.92,935.24 ; 393.9,-816.73 1110.21,-816.73 ccw(c0.54,0.2) 1124.44,-797.04 1230.85,-797.04 ccw(c1230.85,-600.19) 1398.17,-703.89 1398.17,704.29 ccw(c1230.85,600.59) 1230.85,797.44 1124.44,797.44 ccw(c0.54,0.2) 1052.39,890.34 ccw(c601.59,508.85) 1010.19,935.24 966.43,935.24 ; -1257.34,525.94 -1271.48,495.61 -1157.3,442.37 -1082.42,602.93 -1196.6,656.18 -1210.75,625.85 ; -1257.34,525.94 -1278.74,535.92 -1273.75,546.63 -1252.34,536.64 ; -1257.34,525.94 -1246.63,520.95 -1241.64,531.65 -1252.34,536.64 ; -1252.34,536.64 -1249.02,543.78 ; -1249.02,543.78 -1270.42,553.76 -1265.43,564.47 -1244.02,554.48 ; -1249.02,543.78 -1238.31,538.79 -1233.32,549.49 -1244.02,554.48 ; -1244.02,554.48 -1240.7,561.62 ; -1240.7,561.62 -1262.11,571.6 -1257.11,582.31 -1235.71,572.32 ; -1240.7,561.62 -1229.99,556.63 -1225,567.33 -1235.71,572.32 ; -1235.71,572.32 -1232.38,579.46 ; -1232.38,579.46 -1253.79,589.44 -1248.79,600.15 -1227.39,590.17 ; -1232.38,579.46 -1221.67,574.47 -1216.68,585.17 -1227.39,590.17 ; -1227.39,590.17 -1224.06,597.3 ; -1224.06,597.3 -1245.47,607.28 -1240.48,617.99 -1219.07,608.01 ; -1224.06,597.3 -1213.35,592.31 -1208.36,603.01 -1219.07,608.01 ; -1219.07,608.01 -1215.74,615.14 ; -1215.74,615.14 -1237.15,625.13 -1232.16,635.83 -1210.75,625.85 ; -1215.74,615.14 -1205.03,610.15 -1200.04,620.86 -1210.75,625.85 ; 885.92,935.24 cw(c926.18,925.84) 966.43,935.24 ; 885.92,935.24 ccw(c926.18,925.84) 966.43,935.24 ; -943.19,342.53 -889.67,317.57 -814.8,478.14 -868.32,503.09 -943.19,342.53 ; 270.22,945.08 305.65,945.08 305.65,968.7 270.22,968.7 270.22,945.08 ; 270.22,996.26 305.65,996.26 305.65,1019.89 270.22,1019.89 270.22,996.26 ; 270.22,1047.44 305.65,1047.44 305.65,1071.07 270.22,1071.07 270.22,1047.44 ; 378.49,893.9 465.1,893.9 465.1,923.43 378.49,923.43 378.49,893.9 ; 378.49,1092.72 465.1,1092.72 465.1,1122.25 378.49,1122.25 378.49,1092.72 ; 945.42,-722.24 1039.91,-722.24 1039.91,-635.63 945.42,-635.63 945.42,-722.24 ; 945.42,-584.45 1039.91,-584.45 1039.91,-497.83 945.42,-497.83 945.42,-584.45 ; 1102.9,-722.24 1197.39,-722.24 1197.39,-635.63 1102.9,-635.63 1102.9,-722.24 ; 1102.9,-584.45 1197.39,-584.45 1197.39,-497.83 1102.9,-497.83 1102.9,-584.45
  text "BATTERY" at -1480.2,-749.8 h78.74 r90
Mechanical 5:
  lines w10: -1153.76,442.87 cw(c-0.02,-0.01) -1080.9,599.13 ; -313.58,-880.31 -488.82,-1682.05 313.58,-880.24 ; 1079.9,149 1539.88,-500.65 ; 1171.4,-547.5 1268,-1134.3 1171.88,-686.99
  text "All dimensions in mm unless otherwise noted" at 1119.7,1231.7 h60
  text "CPWG Transmission line. / Based on  S1000-2 TG170 Stackup  / Impedance must be controlled to  / 50 Ohm (11.208 mils width)" at 1561.1,-926.6 h60
  text "Wire is inserted from this side" at 1033.4,-1413.4 h60
  text "SQUARE NPTH 2.5 x 2.5mm" at -1104.1,-1795.7 h60
Mechanical 6:
  lines w10: -1515.57,-196.65 -1426.67,-196.65 ; -1515.53,-196.65 -1574.58,-137.6 -1574.58,138 -1515.53,197.05 -1426.63,197.05 -1426.63,600.59 cw(c-1229.78,600.59) -1229.78,797.44 -1123.37,797.44 cw(c0.54,0.2) -1086.48,847.04 ; -1426.63,-196.65 -1426.63,-600.19 ccw(c-1229.78,-600.19) -1229.78,-797.04 -1123.37,-797.04 ccw(c0.54,0.2) -1051.32,-889.94 ccw(c-600.52,-508.45) -865.74,-1036.1 -590.02,-1174.69 ccw(c0.5,0.2) 591.05,-1174.69 866.81,-1036.1 ; -1086.52,847.04 cw(c-1055.46,822.85) -1038.33,858.3 ccw(c-991.63,954.92) -889.36,987.49 ; -889.33,987.49 cw(c-851.81,999.44) -869.49,1034.61 -590.02,1175.09 cw(c0.54,0.2) -528.52,1204.04 cw(c-449.36,1023.82) -449.36,1220.67 -216,1220.67 -216,1250.2 ; -216.04,1250.2 217.03,1250.2 ; 217.07,1250.2 217.07,1220.67 450.39,1220.67 cw(c450.39,1023.82) 529.59,1204.04 cw(c0.54,0.2) 591.09,1175.09 866.81,1036.5 ; 866.77,-1036.1 ccw(c601.56,-508.45) 1052.35,-889.95 ccw(c0.54,0.2) 1110.21,-816.73 ccw(c0.54,0.2) 1124.44,-797.04 1230.81,-797.04 ccw(c1230.81,-600.19) 1427.66,-600.19 ; 866.77,1036.5 cw(c601.56,508.85) 1052.35,890.35 cw(c0.54,0.2) 1124.44,797.44 1230.81,797.44 cw(c1230.81,600.59) 1427.66,600.59 ; 1398.17,704.29 cw(c1230.85,600.59) 1427.7,600.59 1427.7,197.05 ; 1427.66,-196.65 1447.66,-196.65 ; 1427.66,197.05 1447.66,197.05 ; 1427.7,-600.19 1427.7,-196.65 ; 1447.7,-196.65 1447.7,197.05 ; -943.23,342.53 -868.36,503.09 -859.44,498.93 -814.84,478.14 -889.71,317.57 -934.31,338.37 -943.23,342.53
Drill Drawing:
  circle w10: c-2329.77,2878.03 r33.33
  lines w10: -2363.1,2544.7 -2296.43,2544.7 -2296.43,2611.37 -2363.1,2611.37 -2363.1,2544.7 ; -2363.1,2711.37 -2346.43,2711.37 -2346.43,2694.7 -2313.1,2694.7 -2313.1,2711.37 -2296.43,2711.37 -2296.43,2744.7 -2313.1,2744.7 -2313.1,2761.37 -2346.43,2761.37 -2346.43,2744.7 -2363.1,2744.7 -2363.1,2711.37 ; -2363.1,3061.37 -2296.43,3061.37 -2329.77,2994.7 -2363.1,3061.37 ; -2363.1,3144.7 -2296.43,3144.7 -2296.43,3211.37 -2363.1,3211.37 -2363.1,3144.7 ; -2363.1,3328.03 -2329.77,3294.7 -2296.43,3328.03 -2329.77,3361.37 -2363.1,3328.03 ; -2363.1,3444.7 -2329.77,3461.37 -2296.43,3444.7 -2313.1,3478.03 -2296.43,3511.37 -2329.77,3494.7 -2363.1,3511.37 -2346.43,3478.03 -2363.1,3444.7 ; -2363.1,3594.7 -2363.1,3611.37 -2346.43,3628.03 -2363.1,3644.7 -2363.1,3661.37 -2346.43,3661.37 -2329.77,3644.7 -2313.1,3661.37 -2296.43,3661.37 -2296.43,3644.7 -2313.1,3628.03 -2296.43,3611.37 -2296.43,3594.7 -2313.1,3594.7 -2329.77,3611.37 -2346.43,3594.7 -2363.1,3594.7 ; -2349.77,3158.03 -2309.77,3158.03 -2309.77,3198.03 -2349.77,3198.03 -2349.77,3158.03
  lines w15: -2422.89,2499.7 3779.4,2499.7 ; -2422.89,3699.7 3779.4,3699.7 ; -1872.01,2349.7 -1872.01,3849.7 ; -1272.17,2349.7 -1272.17,3849.7 ; -172.49,2349.7 -172.49,3849.7 ; 333.38,2349.7 333.38,3849.7 ; 1067.18,2349.7 1067.18,3849.7 ; 2400.79,2349.7 2400.79,3849.7 ; -2422.89,2349.7 3779.4,2349.7 3779.4,3849.7 -2422.89,3849.7 -2422.89,2349.7
  text "Symbol" at -2332.89,3744.7 h72
  text "Count" at -1827.01,3744.7 h72
  text "Hole Size" at -1227.17,3744.7 h72
  text "Plated" at -127.49,3744.7 h72
  text "Hole Type" at 378.38,3744.7 h72
  text "Hole Tolerance (+)" at 1112.18,3744.7 h72
  text "Hole Tolerance (-)" at 2445.79,3744.7 h72
  text "2" at -1827.01,3594.7 h60
  text "0.500mm (19.69mil)" at -1227.17,3594.7 h60
  text "PTH" at -127.49,3594.7 h60
  text "Slot" at 378.38,3594.7 h60
  text "2" at -1827.01,3444.7 h60
  text "0.550mm (21.65mil)" at -1227.17,3444.7 h60
  text "PTH" at -127.49,3444.7 h60
  text "Slot" at 378.38,3444.7 h60
  text "3" at -1827.01,3294.7 h60
  text "0.991mm (39.00mil)" at -1227.17,3294.7 h60
  text "NPTH" at -127.49,3294.7 h60
  text "Round" at 378.38,3294.7 h60
  text "0.076mm (3.00mil)" at 1112.18,3294.7 h60
  text "0.076mm (3.00mil)" at 2445.79,3294.7 h60
  text "3" at -1827.01,3144.7 h60
  text "2.100mm (82.68mil)" at -1227.17,3144.7 h60
  text "NPTH" at -127.49,3144.7 h60
  text "Round" at 378.38,3144.7 h60
  text "0.076mm (3.00mil)" at 1112.18,3144.7 h60
  text "0.076mm (3.00mil)" at 2445.79,3144.7 h60
  text "4" at -1827.01,2994.7 h60
  text "2.375mm (93.50mil)" at -1227.17,2994.7 h60
  text "NPTH" at -127.49,2994.7 h60
  text "Round" at 378.38,2994.7 h60
  text "0.076mm (3.00mil)" at 1112.18,2994.7 h60
  text "0.076mm (3.00mil)" at 2445.79,2994.7 h60
  text "21" at -1827.01,2844.7 h60
  text "1.000mm (39.37mil)" at -1227.17,2844.7 h60
  text "PTH" at -127.49,2844.7 h60
  text "Round" at 378.38,2844.7 h60
  text "24" at -1827.01,2694.7 h60
  text "0.330mm (13.00mil)" at -1227.17,2694.7 h60
  text "PTH" at -127.49,2694.7 h60
  text "Round" at 378.38,2694.7 h60
  text "719" at -1827.01,2544.7 h60
  text "0.254mm (10.00mil)" at -1227.17,2544.7 h60
  text "PTH" at -127.49,2544.7 h60
  text "Round" at 378.38,2544.7 h60
  text "778 Total" at -1827.01,2394.7 h60
  text "Slot definitions :" at -2332.89,2249.73 h60
  text "Routed Path Length" at -1300.2,2249.73 h60
  text "= Calculated from tool start centre position to tool end centre position." at -197.53,2249.73 h60
  text "Hole Length" at -1300.2,2149.75 h60
  text "= Routed Path Length + Tool Size = Slot length as defined in the PCB layout" at -607.4,2149.75 h60
  text "No changes to materials and/or gerber files are permitted without written approval from CycleLabs Solutions Inc. /   / 1.       Board spec. /          a.       Board shall be manufactured to meet all spec. defined under the latest revision of IPC-6012 class 2 & IPC-A-600 class 2. / 2.       Material /          a.       See PCB requirement spec PDF /          b.      Material must be lead free compliant per IPC-4101A/24 or /26. /          c.       Maximum thickness 0.062\" +/- 0.006\" measured over solder mask /          d.      Outer layers copper foil (    )1/2 OZ./SQ.FT OR (X)1 OZ./SQ.FT OR (    )2 OZ./SQ.FT. /          e.      Inner layers copper foil (    )1/2 OZ./SQ.FT OR ( X)1 OZ./SQ.FT OR (    )2 OZ./SQ.FT. /          f.        Boards rated & identified to UL 94V0. / 3.       Gerber files /          a.       Supplied gerber files must not be modified by manufacturer without prior permission from CycleLabs Solutions Inc. /          b.      Copper addition is not permitted on any layers unless otherwise specified. /          c.       Copper addition in breakaway areas for panel forms is acceptable. /          d.      Manufacturing logo, UL and date code must be added as specified on panel from mechanical drawing. /          e.      Gerber traces, components pads & vias pads widths are finished widths. Finished width accuracy on inner layers +/- 0.001\". / 4.       Plated Holes /          a.       Plated thru holes, unless otherwise specified, are sizes show after plating. Wall thickness of plated thru holes shall be 0.001¨, min etch back or smear removals shall be 0.0002\" min and 0.003\"max. / 5.       Solder mask /          a.       Apply photo imageable solder mask as per specification IPC-SM-840 to both sides of PWB over bare copper, GREEN, Taiyo PSR-4000 WT05 /          b.      Solder mask thickness: 0.0008\"min.  /  0.001\" max. /          c.       Solder mask registration: +/- 0.002\" /          d.      In order to avoid oversizing of components pads being part of copper plane or vias, solder mask must not be modified. Solder mask compensation already applied in gerber files in order to meet registration value. /          e.      Soldermask :  no soldermask opening should be more then 3 mils expansion from the pad size. For BGA, LGA and QFN or QFP Fine Pitch,  max 2.5 mils expansion.  / 6.       Finish /          a.       RoHS compliant (EU directive 2002/95/EC) 2-10 uIN immersion Gold over 50-200 uIN Electroless Nickel (ENIG). /          b.      No exposed copper. / 7.       Silkscreen /          a.       Apply silkscreen to top & bottom side of PWB using non conductive WHITE epoxy based ink. /          b.      Cut silkscreen using solder mask clearance. / 8.       Electrical test /          a.       100% electrical testing required. / 9.       Vias /          a.       All via diameter to be within tolerance specified in point 3. / 10.   Stackup /          a.       Material as per stackup drawing. See PCB requirement spec PDF" at 3909.2,-1624.4 h78.74